# Allegro board 8880F5-0823_9.brd (continued)
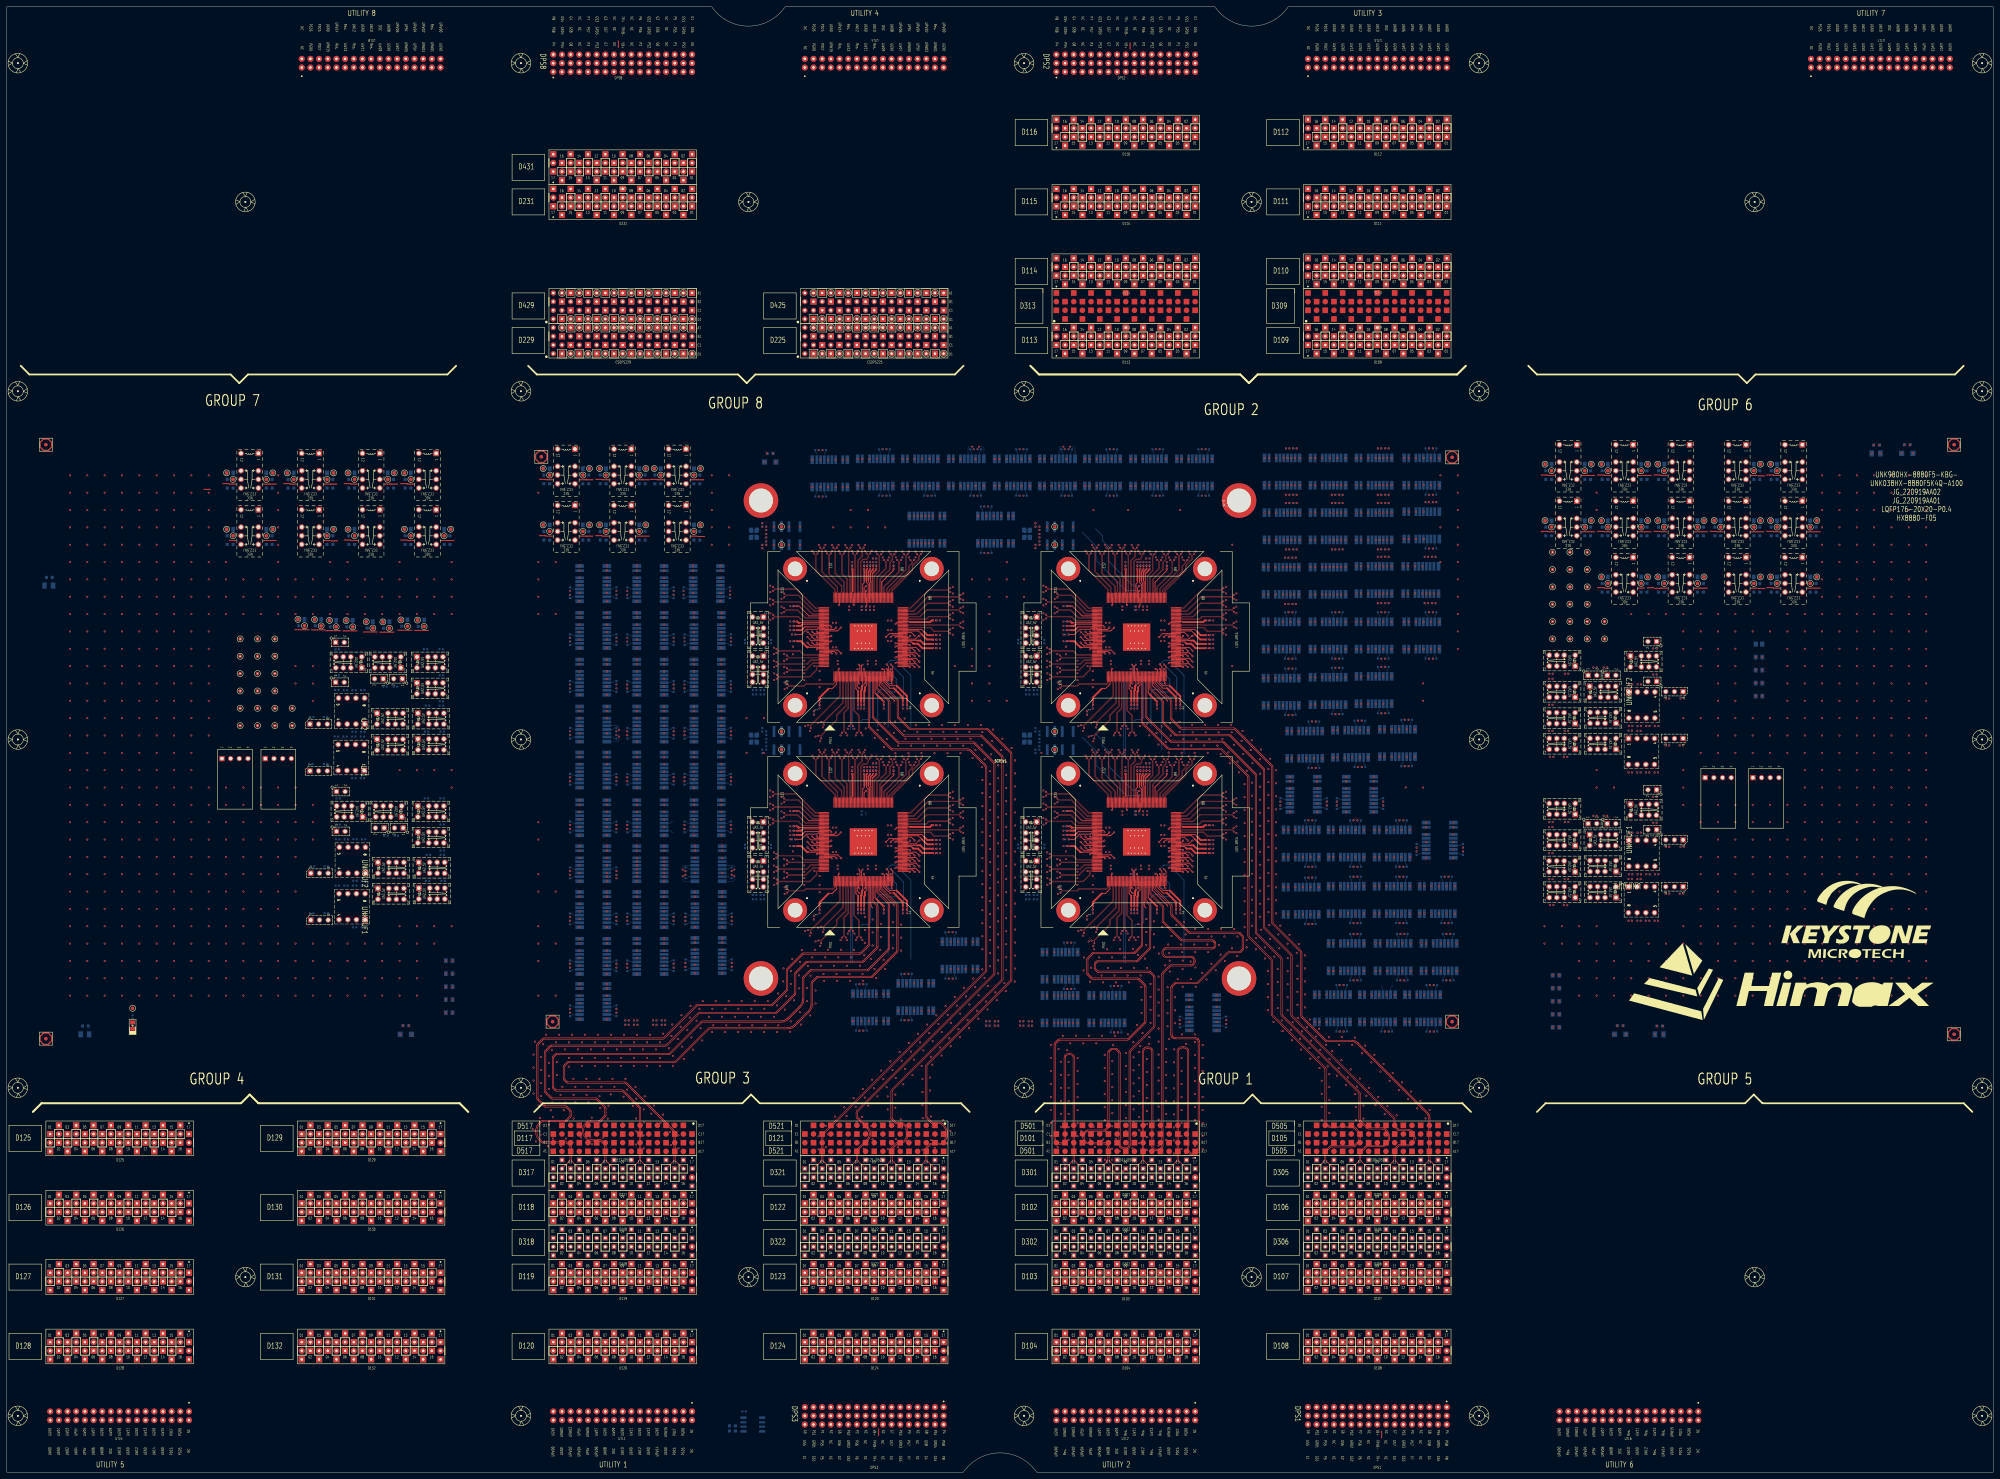
[diagram p0: board, top side]
## Routing (per net, layer and track width the routed paths; a pad name or vN(x,y) marks a point on that pad's centre or on a via; arc(x,y) is an arc through that point) (continued)
D12013: length 259.2
  TOP w0.086: SITE3.135 237.68,192.43 237.6,192.35 236.46,192.35 231.86,196.95 228.04,196.95 v1(227.6,197.38)
  L05_SIGNAL w0.071: v1(178.5,162.67) 178.97,162.2 179.52,162.2 179.91,161.81 179.91,160.47 177.66,158.23 175.66,158.23 174.87,157.44 174.87,125.94 178.15,122.66 178.15,116.93 194.86,100.22 199.25,100.22 205.86,93.62 205.86,33.61 203.06,30.82 193.97,30.82 192.9,31.88 192.9,33.16 D120.13
  L32_SIGNAL w0.071: v1(227.6,197.38) 227.13,196.91 226.48,196.91 225.28,195.71 225.28,185.17 223.22,183.12 223.22,170.34 218.38,165.49 183.28,165.49 179.98,162.2 178.97,162.2 v1(178.5,162.67)
D12014: length 502.2
  TOP w0.086: SITE3.102 254.23,197.78 254.15,197.86 254.15,202.58 255.64,204.07 255.64,208.51 v1(256.07,208.93)
  L05_SIGNAL w0.071: v1(181.67,203.56) 181.2,203.09 180.14,203.09 177.08,200.03 177.08,164.74 172.92,160.58 172.92,129.63 172.13,128.85 172.13,127.1 173.43,125.8 173.43,117.15 175.82,114.76 175.82,113.21 185.38,103.65 187.91,103.65 193.67,97.89 199.92,97.89 204.49,93.32 204.49,51.6 199.83,46.93 197.16,46.93 195.48,45.26 195.48,40.54 D120.14
  L32_SIGNAL w0.071: v1(181.67,203.56) 181.2,203.09 180.18,203.09 176.92,206.34 162.45,206.34 159.1,203 159.1,189.56 162.87,185.79 167.01,185.79 170.41,182.4 170.41,173.57 168.42,171.58 165.61,171.58 159.73,165.71 159.73,149.11 164.77,144.08 198.32,144.08 203.77,149.52 209.77,149.52 213.29,153.04 230.86,153.04 236.63,147.27 251.59,147.27 253.23,148.91 272.21,148.91 277.98,154.68 277.98,187.55 273.71,191.82 260.15,191.82 255.6,196.37 255.6,208.46 v1(256.07,208.93)
D12015: length 258.3
  TOP w0.086: SITE3.136 237.68,192.03 237.6,192.11 236.36,192.11 231.76,196.71 228.07,196.71 v1(227.6,196.24)
  L05_SIGNAL w0.071: D120.15 193.1,33.08 193.1,31.96 194.05,31.01 202.98,31.01 205.66,33.69 205.66,93.53 199.17,100.02 194.78,100.02 177.95,116.85 177.95,122.57 174.67,125.86 174.67,157.52 175.57,158.42 177.58,158.42 179.71,160.56 179.71,161.73 179.44,162 178.97,162 v1(178.5,161.52)
  L32_SIGNAL w0.071: v1(178.5,161.52) 178.97,162 180.06,162 183.36,165.3 218.46,165.3 223.42,170.26 223.42,183.04 225.48,185.09 225.48,195.63 226.56,196.71 227.13,196.71 v1(227.6,196.24)
D12016: length 501
  TOP w0.086: SITE3.103 253.83,197.78 253.91,197.86 253.91,202.68 255.4,204.17 255.4,208.46 v1(254.93,208.93)
  L05_SIGNAL w0.071: D120.16 195.68,40.54 195.68,45.17 197.25,46.74 199.91,46.74 204.69,51.51 204.69,93.4 200,98.09 193.75,98.09 187.99,103.85 185.46,103.85 176.02,113.3 176.02,114.84 173.63,117.23 173.63,125.88 172.33,127.18 172.33,128.76 173.11,129.54 173.11,160.49 177.28,164.65 177.28,199.94 180.22,202.89 181.2,202.89 v1(181.67,202.42)
  L32_SIGNAL w0.071: v1(254.93,208.93) 255.4,208.46 255.4,196.29 260.07,191.63 273.63,191.63 277.78,187.47 277.78,154.77 272.13,149.11 253.15,149.11 251.51,147.47 236.71,147.47 230.94,153.24 213.21,153.24 209.69,149.72 203.68,149.72 198.24,144.27 164.85,144.27 159.93,149.19 159.93,165.62 165.69,171.38 168.5,171.38 170.61,173.49 170.61,182.48 167.09,185.99 162.95,185.99 159.3,189.64 159.3,202.92 162.53,206.15 176.84,206.15 180.09,202.89 181.2,202.89 v1(181.67,202.42)
D12301: length 279.1
  TOP w0.086: v1(261.86,207.21) 261.41,206.77 261.41,203.74 256.95,199.28 256.95,197.86 257.03,197.78 SITE3.95
  L05_SIGNAL w0.071: D123.01 236.16,53.4 236.16,51.28 234.39,49.5 229.4,49.5 227.44,51.47 227.44,93.68 204.68,116.43 204.68,132.21 202.26,134.64 202.26,138.34 204.1,140.18 204.1,215.61 208.21,219.72 212.01,219.72 213.37,218.35 213.37,216.79 213.14,216.55 212.5,216.55 v1(212.03,217.02)
  L32_SIGNAL w0.071: v1(212.03,217.02) 212.5,216.55 219.43,216.55 220.48,215.5 230.96,215.5 232.02,216.55 238.79,216.55 241.81,219.57 254.14,219.57 258.84,214.86 258.84,213.71 261.38,211.17 261.38,207.69 v1(261.86,207.21)
D12302: length 212.1
  TOP w0.086: v1(237.43,209.15) 236.97,208.69 236.97,204.24 242.55,198.66 242.55,197.86 242.63,197.78 SITE3.131
  L05_SIGNAL w0.071: D123.02 238.68,60.88 238.68,61.8 238.29,62.18 232.85,62.18 231.03,64 231.03,94.85 208.31,117.57 208.31,132.07 205.62,134.75 205.62,184.3 210.44,189.12 211.55,189.12 v1(212.03,189.59)
  L32_SIGNAL w0.071: v1(212.03,189.59) 211.55,189.12 211.03,189.12 210.09,190.06 210.09,192.23 214.37,196.51 224.09,196.51 226.56,198.99 235.95,198.99 236.95,199.99 236.95,208.68 v1(237.43,209.15)
D12303: length 280.4
  TOP w0.086: v1(260.71,207.21) 261.17,206.75 261.17,203.84 256.71,199.38 256.71,197.86 256.63,197.78 SITE3.96
  L05_SIGNAL w0.071: D123.03 236.36,53.48 236.36,51.19 234.47,49.3 229.32,49.3 227.24,51.39 227.24,93.59 204.49,116.35 204.49,132.13 202.06,134.55 202.06,138.42 203.91,140.27 203.91,215.69 208.13,219.92 212.09,219.92 213.57,218.43 213.57,216.7 213.22,216.35 212.5,216.35 v1(212.03,215.88)
  L32_SIGNAL w0.071: v1(260.71,207.21) 261.19,207.69 261.19,211.08 258.64,213.63 258.64,214.78 254.05,219.37 241.9,219.37 238.88,216.35 232.1,216.35 231.04,215.3 220.4,215.3 219.35,216.35 212.5,216.35 v1(212.03,215.88)
D12304: length 212
  TOP w0.086: v1(236.28,209.15) 236.73,208.71 236.73,204.14 242.31,198.56 242.31,197.86 242.23,197.78 SITE3.132
  L05_SIGNAL w0.071: v1(212.03,188.45) 211.55,188.92 210.53,188.92 205.82,184.22 205.82,134.83 208.51,132.15 208.51,117.65 231.23,94.93 231.23,64.08 232.93,62.38 238.38,62.38 238.88,61.88 238.88,60.84 D123.04
  L32_SIGNAL w0.071: v1(236.28,209.15) 236.75,208.68 236.75,200.07 235.87,199.18 226.48,199.18 224,196.71 214.29,196.71 209.89,192.31 209.89,189.98 210.95,188.92 211.55,188.92 v1(212.03,188.45)
D12305: length 833.7
  TOP w0.086: SITE3.85 263.98,192.03 264.06,192.11 265.58,192.11 269.82,196.36 278.81,196.36 v1(279.29,195.88)
  L07_SIGNAL w0.071: D123.05 244.87,54.85 246.65,54.85 246.99,54.5 246.99,52.15 244.9,50.07 228.14,50.07 224.31,53.89 224.31,100.65 261.98,138.32 261.98,143.16 263.54,144.73 263.54,145.51 v1(264.01,145.99)
  L30_SIGNAL w0.071: v1(264.01,145.99) 263.55,145.53 263.55,144.67 264.49,143.73 264.49,140.56 266.44,138.61 272.34,138.61 274.54,140.81 274.54,144.52 275.88,145.86 277.83,145.86 278.86,144.83 278.86,141.34 264.69,127.17 206.59,127.17 204.63,125.21 194.44,125.21 192.9,126.75 25.18,126.75 21.58,123.16 21.58,108.74 24.62,105.7 157.16,105.7 159.02,107.56 170.6,107.56 172.57,105.6 184.03,105.6 187.17,108.73 283.29,108.73 288.47,113.91 288.47,195.03 287.15,196.35 279.76,196.35 v1(279.29,195.88)
D12306: length 833.7
  TOP w0.086: SITE3.83 263.98,191.23 264.06,191.31 266.53,191.31 269.61,194.39 275.8,194.39 v1(276.24,193.95)
  L07_SIGNAL w0.071: v1(264.01,132.4) 263.54,132.87 263.54,133.69 263.06,134.17 261.82,134.17 226.2,98.56 226.2,66.3 230.03,62.47 248.1,62.47 248.38,62.19 248.38,60.42 D123.06
  L30_SIGNAL w0.071: v1(276.24,193.95) 276.72,194.42 284.42,194.42 287.11,191.73 287.11,147.61 287.81,146.91 287.81,134.93 285.97,133.09 285.97,114.38 281.74,110.15 262.95,110.15 261.61,111.48 248.03,111.48 246.31,109.77 189.32,109.77 188.06,111.03 184.5,111.03 182.89,109.42 154.26,109.42 152.26,107.42 55.01,107.42 52.56,109.87 42.91,109.87 42.56,109.51 42.56,108.95 43,108.51 48.22,108.51 48.59,108.13 48.59,107.76 48.24,107.42 25.15,107.42 23.93,108.63 23.93,122.76 26.37,125.21 153.15,125.21 153.97,124.38 157.49,124.38 158.17,125.07 193.8,125.07 195.15,123.72 198.59,123.72 199.3,124.43 205.7,124.43 207.62,126.35 266.03,126.35 279.71,140.02 279.71,147.49 277.94,149.26 261.11,149.26 259.65,147.8 259.65,131.08 260.69,130.04 262.93,130.04 263.54,130.64 263.54,131.93 v1(264.01,132.4)
D12307: length 833.7
  TOP w0.086: SITE3.86 263.98,192.43 264.06,192.35 265.48,192.35 269.73,196.6 278.87,196.6 v1(279.29,197.02)
  L07_SIGNAL w0.071: D123.07 247.19,54.15 247.19,52.07 244.99,49.87 228.06,49.87 224.12,53.81 224.12,100.74 261.78,138.4 261.78,143.25 263.34,144.81 263.34,145.51 v1(262.87,145.99)
  L30_SIGNAL w0.071: v1(279.29,197.02) 279.76,196.55 287.23,196.55 288.67,195.11 288.67,113.83 283.38,108.54 187.25,108.54 184.12,105.4 172.48,105.4 170.52,107.36 159.1,107.36 157.24,105.51 24.54,105.51 21.38,108.66 21.38,123.24 25.1,126.95 192.98,126.95 194.53,125.41 204.55,125.41 206.51,127.37 264.61,127.37 278.66,141.42 278.66,144.75 277.75,145.66 275.96,145.66 274.74,144.44 274.74,140.72 272.42,138.41 266.36,138.41 264.29,140.48 264.29,143.65 263.36,144.59 263.36,145.5 v1(262.87,145.99)
D12308: length 833.7
  TOP w0.086: v1(276.24,195.09) 275.78,194.63 269.51,194.63 266.43,191.55 264.06,191.55 263.98,191.63 SITE3.84
  L07_SIGNAL w0.071: D123.08 249.86,60.02 248.81,60.02 248.58,60.25 248.58,62.27 248.18,62.67 230.11,62.67 226.4,66.38 226.4,98.47 261.9,133.97 262.98,133.97 263.34,133.61 263.34,132.87 v1(262.87,132.4)
  L30_SIGNAL w0.071: v1(262.87,132.4) 263.34,131.93 263.34,130.73 262.85,130.23 260.77,130.23 259.84,131.16 259.84,147.71 261.19,149.06 277.86,149.06 279.51,147.41 279.51,140.1 265.95,126.55 207.53,126.55 205.61,124.63 199.22,124.63 198.51,123.92 195.23,123.92 193.88,125.27 158.09,125.27 157.4,124.58 154.06,124.58 153.23,125.4 26.29,125.4 23.73,122.85 23.73,108.55 25.07,107.22 48.33,107.22 48.79,107.68 48.79,108.21 48.3,108.7 43.09,108.7 42.76,109.04 42.76,109.43 42.99,109.67 52.48,109.67 54.93,107.22 152.34,107.22 154.34,109.22 182.97,109.22 184.58,110.83 187.98,110.83 189.24,109.57 246.4,109.57 248.11,111.29 261.53,111.29 262.86,109.95 281.82,109.95 286.17,114.3 286.17,133.01 288.01,134.85 288.01,146.99 287.31,147.69 287.31,191.81 284.5,194.62 276.72,194.62 v1(276.24,195.09)
D12309: length 833.7
  TOP w0.086: v1(276.24,190.09) 275.8,190.53 270.02,190.53 269.2,189.71 264.06,189.71 263.98,189.63 SITE3.79
  L07_SIGNAL w0.071: D123.09 254.05,55.88 255.91,54.02 256.78,54.02 256.98,53.82 256.98,49.8 254.84,47.66 226.52,47.66 222.24,51.94 222.24,99.82 250.33,127.92 250.33,128.88 v1(250.81,129.35)
  L30_SIGNAL w0.071: v1(250.81,129.35) 250.33,129.82 250.33,131.31 247.9,133.73 238.12,133.73 234.48,130.09 206.09,130.09 205.02,129.02 197.72,129.02 196.48,130.26 145.41,130.26 143.59,132.07 143.59,133.02 144.2,133.63 163.56,133.63 164.22,134.29 164.22,134.93 163.63,135.52 143.52,135.52 143.23,135.81 143.23,136.64 143.62,137.03 163.32,137.03 163.9,137.62 163.9,138.28 163.15,139.03 143.73,139.03 143.14,139.62 143.14,140.68 143.38,140.92 206.62,140.92 207.31,141.62 207.31,143.37 206.9,143.79 143.34,143.79 142.95,144.18 142.95,144.54 143.32,144.91 203.53,144.91 204.13,145.51 204.13,146.69 203.38,147.44 200.11,147.44 199.36,146.69 143.25,146.69 143,146.94 143,147.52 143.17,147.69 162.64,147.69 163.04,148.09 163.04,148.69 162.5,149.22 143.84,149.22 143.38,149.69 143.38,150.3 144.49,151.41 165.75,151.41 167.35,149.81 204.74,149.81 217.29,137.26 227.88,137.26 229.65,139.03 252.54,139.03 258.74,145.22 258.74,164.96 263.84,170.06 263.84,189.54 264.86,190.56 275.77,190.56 v1(276.24,190.09)
D12311: length 833.7
  TOP w0.086: v1(276.24,191.23) 275.78,190.77 269.92,190.77 269.1,189.95 264.06,189.95 263.98,190.03 SITE3.80
  L07_SIGNAL w0.071: v1(249.66,129.35) 250.14,128.88 250.14,128 222.04,99.9 222.04,51.86 226.44,47.46 254.92,47.46 257.18,49.72 257.18,53.98 D123.11
  L30_SIGNAL w0.071: v1(276.24,191.23) 275.77,190.76 264.77,190.76 263.64,189.62 263.64,170.14 258.54,165.04 258.54,145.31 252.46,139.23 229.57,139.23 227.8,137.46 217.37,137.46 204.82,150.01 167.43,150.01 165.84,151.6 144.41,151.6 143.18,150.38 143.18,149.6 143.76,149.03 162.42,149.03 162.84,148.61 162.84,148.17 162.56,147.89 143.09,147.89 142.8,147.6 142.8,146.86 143.17,146.49 199.44,146.49 200.2,147.24 203.29,147.24 203.93,146.61 203.93,145.6 203.44,145.11 143.24,145.11 142.75,144.62 142.75,144.1 143.26,143.59 206.82,143.59 207.12,143.29 207.12,141.7 206.53,141.12 143.3,141.12 142.94,140.76 142.94,139.53 143.64,138.83 163.06,138.83 163.71,138.19 163.71,137.7 163.24,137.23 143.54,137.23 143.03,136.72 143.03,135.73 143.44,135.32 163.55,135.32 164.02,134.85 164.02,134.37 163.48,133.83 144.12,133.83 143.39,133.11 143.39,131.99 145.33,130.06 196.4,130.06 197.63,128.82 205.1,128.82 206.17,129.89 234.56,129.89 238.2,133.54 247.82,133.54 250.13,131.22 250.13,129.82 v1(249.66,129.35)
D12313: length 359.3
  L07_SIGNAL w0.071: D123.13 265.68,54.36 265.68,49.7 267.67,47.71 275.81,47.71 280.73,52.62 280.73,101.92 274.73,107.93 274.73,134.49 276.5,136.26 276.5,144.12 v1(276.97,144.59)
  L30_SIGNAL w0.071: v1(276.97,144.59) 276.5,144.12 276.5,140.56 273.33,137.39 268.79,137.39 266.84,135.43 266.84,131.56 263.39,128.1 196.12,128.1 194.89,129.33 144.57,129.33 141.77,132.13 141.77,150.27 144.22,152.71 166.29,152.71 167.13,151.87 182.39,151.87 188.37,157.86 188.37,176.38 188.09,176.66 v1(184.47,176.66)
D12314: length 833.7
  TOP w0.086: v1(279.29,187.66) 278.84,188.11 264.06,188.11 263.98,188.03 SITE3.75
  L07_SIGNAL w0.071: v1(276.97,158.18) 276.5,158.65 276.5,159.5 275.77,160.23 272.89,160.23 271.58,158.92 271.58,145.92 273.6,143.9 273.6,130.54 272.28,129.23 272.28,107.97 277.48,102.78 277.48,66.55 275.48,64.55 271.63,64.55 269.01,61.93 269.01,60.73 D123.14
  L30_SIGNAL w0.071: v1(279.29,187.66) 278.82,188.13 278.21,188.13 277.84,187.75 277.84,163.33 285.14,156.02 285.14,143.72 286.39,142.48 286.39,139.55 283.02,136.18 283.02,126.69 274.4,118.07 265.08,118.07 263.33,116.32 254.99,116.32 254.22,117.09 159.85,117.09 156.83,120.1 152,120.1 143.03,111.13 29.77,111.13 27.6,113.3 27.6,115.26 29.07,116.74 61.19,116.74 62.22,117.77 62.22,118.68 61.22,119.68 27.46,119.68 26.41,120.73 26.41,121.92 28.02,123.53 157.22,123.53 157.94,122.81 205.86,122.81 207.37,124.32 266.83,124.32 281.5,138.99 281.5,147.96 279.32,150.13 279.32,158.63 277.98,159.98 276.98,159.98 276.51,159.51 276.51,158.64 v1(276.97,158.18)
D12315: length 359.3
  L07_SIGNAL w0.071: v1(275.82,144.59) 276.3,144.12 276.3,136.34 274.53,134.57 274.53,107.84 280.53,101.84 280.53,52.7 275.73,47.9 267.75,47.9 265.87,49.78 265.87,53.45 266.96,54.53 267.89,54.53 D123.15
  L30_SIGNAL w0.071: v1(192.47,176.66) 188.84,176.66 188.57,176.38 188.57,157.78 182.47,151.68 167.05,151.68 166.21,152.52 144.3,152.52 141.97,150.19 141.97,132.21 144.66,129.53 194.98,129.53 196.2,128.3 263.31,128.3 266.64,131.64 266.64,135.52 268.71,137.58 273.24,137.58 276.3,140.64 276.3,144.12 v1(275.82,144.59)
D12316: length 833.7
  TOP w0.086: v1(279.29,188.8) 278.84,188.35 264.06,188.35 263.98,188.43 SITE3.76
  L07_SIGNAL w0.071: v1(275.82,158.18) 276.3,158.65 276.3,159.42 275.69,160.03 272.97,160.03 271.78,158.83 271.78,146 273.79,143.98 273.79,130.46 272.48,129.14 272.48,108.06 277.67,102.86 277.67,66.47 275.56,64.36 271.71,64.36 269.2,61.85 269.2,60.65 270.49,59.36 270.84,59.36 D123.16
  L30_SIGNAL w0.071: v1(275.82,158.18) 276.31,158.66 276.31,159.59 276.89,160.17 278.06,160.17 279.52,158.71 279.52,150.21 281.7,148.04 281.7,138.91 266.92,124.12 207.45,124.12 205.94,122.62 157.86,122.62 157.14,123.33 28.1,123.33 26.61,121.84 26.61,120.81 27.54,119.88 61.31,119.88 62.42,118.76 62.42,117.69 61.27,116.54 29.16,116.54 27.8,115.18 27.8,113.38 29.85,111.33 142.95,111.33 151.92,120.3 156.92,120.3 159.93,117.28 254.3,117.28 255.07,116.51 263.25,116.51 265,118.26 274.32,118.26 282.82,126.77 282.82,136.27 286.19,139.63 286.19,142.39 284.94,143.64 284.94,155.94 277.64,163.24 277.64,187.83 278.13,188.33 278.82,188.33 v1(279.29,188.8)
D12401: length 562
  TOP w0.086: SITE3.100 255.03,197.78 254.95,197.86 254.95,202.07 257.55,204.67 257.55,206.76 v1(258,207.21)
  L05_SIGNAL w0.071: D124.01 236.05,33.19 236.05,29.34 233.19,26.48 217.07,26.48 212.61,30.94 212.61,96.57 192.31,116.86 192.31,123.1 190.24,125.17 190.24,126.7 190.98,127.43 190.98,133.42 189.43,134.97 189.43,201.6 192.17,204.34 196.43,204.34 196.69,204.08 196.69,203.37 196.41,203.09 195.73,203.09 v1(195.26,203.56)
  L32_SIGNAL w0.071: v1(195.26,203.56) 194.79,203.09 193.58,203.09 188.15,208.52 162.97,208.52 157.98,203.53 157.98,188.44 166.02,180.4 166.02,173.36 157.35,164.69 157.35,147.81 162.92,142.23 204.38,142.23 214.25,152.1 226.67,152.1 240.07,138.7 272.62,138.7 279.89,145.97 279.89,185.48 280.82,186.41 280.82,193.94 279.71,195.05 278.69,195.05 277.53,196.21 260.34,196.21 257.53,199.02 257.53,206.74 v1(258,207.21)
D12402: length 230
  TOP w0.086: v1(224.31,199.31) 224.75,198.87 231.22,198.87 236.94,193.15 237.6,193.15 237.68,193.23 SITE3.133
  L05_SIGNAL w0.071: v1(198.44,189.59) 197.97,189.12 197.12,189.12 194.34,186.33 194.34,132.9 193.34,131.9 193.34,126.27 196.09,123.52 196.09,115.91 221.25,90.76 221.25,49.6 227.72,43.13 237.24,43.13 238.61,41.75 238.61,40.49 D124.02
  L32_SIGNAL w0.071: v1(224.31,199.31) 223.83,198.84 205.48,198.84 202.81,196.17 202.81,191.64 200.29,189.12 198.91,189.12 v1(198.44,189.59)
D12403: length 562.7
  TOP w0.086: SITE3.101 254.63,197.78 254.71,197.86 254.71,202.17 257.31,204.77 257.31,206.76 v1(256.85,207.21)
  L05_SIGNAL w0.071: D124.03 236.25,33.05 236.25,29.26 233.27,26.28 216.99,26.28 212.41,30.86 212.41,96.49 192.12,116.78 192.12,123.02 190.04,125.09 190.04,126.78 190.78,127.52 190.78,133.34 189.24,134.88 189.24,201.69 192.09,204.54 196.51,204.54 196.88,204.17 196.88,203.29 196.49,202.89 195.73,202.89 v1(195.26,202.42)
  L32_SIGNAL w0.071: v1(256.85,207.21) 257.33,206.74 257.33,198.94 260.26,196.01 277.44,196.01 278.6,194.85 279.63,194.85 280.62,193.86 280.62,186.49 279.69,185.56 279.69,146.05 272.53,138.89 240.16,138.89 226.75,152.3 214.16,152.3 204.3,142.43 163,142.43 157.54,147.89 157.54,164.61 166.22,173.28 166.22,180.48 158.18,188.52 158.18,203.44 163.06,208.32 188.07,208.32 193.5,202.89 194.79,202.89 v1(195.26,202.42)
D12404: length 229.7
  TOP w0.086: v1(224.31,198.17) 224.77,198.63 231.12,198.63 236.84,192.91 237.6,192.91 237.68,192.83 SITE3.134
  L05_SIGNAL w0.071: v1(198.44,188.45) 197.97,188.92 197.2,188.92 194.53,186.25 194.53,132.82 193.53,131.82 193.53,126.36 196.29,123.6 196.29,116 221.45,90.84 221.45,49.68 227.8,43.33 237.32,43.33 238.81,41.84 238.81,40.59 D124.04
  L32_SIGNAL w0.071: v1(224.31,198.17) 223.83,198.64 205.56,198.64 203.01,196.08 203.01,191.55 200.38,188.92 198.91,188.92 v1(198.44,188.45)
D12405: length 360.6
  TOP w0.086: v1(265.72,207.21) 265.28,206.78 265.28,206.31 264.35,205.37 264.35,204.04 258.55,198.23 258.55,197.86 258.63,197.78 SITE3.91
  L05_SIGNAL w0.071: D124.05 246.35,33.05 246.35,26.88 244.31,24.84 215.45,24.84 210.75,29.54 210.75,95.7 189.15,117.29 189.15,125.93 187.15,127.93 187.15,129.97 188.03,130.85 188.03,216.45 190.8,219.23 195.79,219.23 196.32,218.7 196.32,216.78 196.08,216.55 195.73,216.55 v1(195.26,217.02)
  L32_SIGNAL w0.071: v1(195.26,217.02) 195.73,216.55 196.59,216.55 196.87,216.83 196.87,219.04 199.94,222.12 217.87,222.12 221.57,218.41 231.09,218.41 233.94,221.25 260.44,221.25 265.89,215.81 265.89,212.05 265.24,211.41 265.24,207.69 v1(265.72,207.21)
D12406: length 295.9
  TOP w0.086: v1(259.93,208.93) 259.46,208.47 259.46,207.3 258.7,206.53 258.7,204.43 255.75,201.48 255.75,197.86 255.83,197.78 SITE3.98
  L05_SIGNAL w0.071: v1(198.44,217.02) 197.97,216.55 197.58,216.55 197.03,216 197.03,207.43 199.83,204.64 199.83,137.92 198.35,136.45 198.35,122.89 200.18,121.07 200.18,115.41 223.21,92.38 223.21,52.14 229.67,45.67 245.98,45.67 248.78,42.88 248.78,40.5 D124.06
  L32_SIGNAL w0.071: v1(198.44,217.02) 198.91,216.55 199.83,216.55 203.46,212.92 209.57,212.92 210.21,213.56 238.43,213.56 239.71,214.83 251.01,214.83 252.06,215.88 254.93,215.88 259.45,211.36 259.45,209.4 v1(259.93,208.93)
D12407: length 361.9
  TOP w0.086: v1(264.57,207.21) 265.04,206.74 265.04,206.4 264.11,205.47 264.11,204.13 258.31,198.33 258.31,197.86 258.23,197.78 SITE3.92
  L05_SIGNAL w0.071: v1(195.26,215.88) 195.73,216.35 196.17,216.35 196.51,216.7 196.51,218.79 195.87,219.43 190.72,219.43 187.83,216.54 187.83,130.93 186.95,130.05 186.95,127.85 188.95,125.85 188.95,117.21 210.55,95.62 210.55,29.46 215.37,24.64 244.39,24.64 246.55,26.8 246.55,33.19 D124.07
  L32_SIGNAL w0.071: v1(264.57,207.21) 265.04,207.69 265.04,211.49 265.69,212.14 265.69,215.73 260.36,221.06 234.02,221.06 231.17,218.21 221.49,218.21 217.78,221.92 200.02,221.92 197.07,218.96 197.07,216.75 196.67,216.35 195.73,216.35 v1(195.26,215.88)
D12408: length 295.3
  TOP w0.086: v1(258.78,208.93) 259.23,208.49 259.23,207.4 258.46,206.63 258.46,204.53 255.51,201.58 255.51,197.86 255.43,197.78 SITE3.99
  L05_SIGNAL w0.071: D124.08 248.98,40.58 248.98,42.96 246.07,45.87 229.75,45.87 223.41,52.22 223.41,92.46 200.37,115.49 200.37,121.15 198.55,122.97 198.55,136.36 200.02,137.84 200.02,204.72 197.23,207.51 197.23,215.92 197.66,216.35 197.97,216.35 v1(198.44,215.88)
  L32_SIGNAL w0.071: v1(198.44,215.88) 198.91,216.35 199.74,216.35 203.38,212.72 209.65,212.72 210.29,213.36 238.51,213.36 239.79,214.63 251.09,214.63 252.15,215.68 254.85,215.68 259.26,211.28 259.26,209.4 v1(258.78,208.93)
D12501: length 413.5
  TOP w0.086: v1(228.38,238.12) 228.77,238.5 237.61,238.5 237.68,238.43 SITE1.170
  L03_SIGNAL w0.071: v2(198.18,257.03) 197.71,257.5 197.17,257.5 196.58,258.09 196.58,259.22 195.23,260.57 75.2,260.57 9.03,194.4 9.03,93.76 11.61,91.19 14.28,91.19 15.7,92.61 15.7,94.54 15.13,95.11 14.11,95.11 D125.01
  L28_SIGNAL w0.071: v2(198.18,257.03) 198.66,257.5 199.7,257.5 200.96,258.76 204.73,258.76 205.44,259.48 205.44,260.5 204.82,261.12 199.21,261.12 198.54,261.8 198.54,262.69 199.2,263.35 221.28,263.35 225.57,259.05 225.57,245.67 226.86,244.38 226.86,239.39 227.66,238.59 227.91,238.59 v1(228.38,238.12)
D12502: length 457
  TOP w0.086: v1(235.41,217.99) 235.41,218.63 244.15,227.37 244.15,231.4 244.23,231.48 SITE1.6
  L03_SIGNAL w0.071: v2(212.03,243.31) 212.5,243.78 213.52,243.78 214.2,244.47 214.2,248.17 207.95,254.43 74.02,254.43 16.42,196.83 16.42,100.24 D125.02
  L28_SIGNAL w0.071: v2(212.03,243.31) 211.55,243.78 210.59,243.78 209.62,244.76 205.56,244.76 195.99,254.34 195.99,262.81 198.02,264.84 221.65,264.84 235.23,251.26 235.23,233.27 236.88,231.62 236.88,226.21 235.72,225.05 235.72,218.97 235.41,218.66 v1(235.41,217.99)
D12503: length 413.5
  TOP w0.086: v1(228.38,239.26) 228.9,238.74 237.59,238.74 237.68,238.83 SITE1.169
  L03_SIGNAL w0.071: D125.03 15.9,94.64 15.9,92.53 14.36,90.99 11.53,90.99 8.84,93.68 8.84,194.48 75.12,260.77 195.31,260.77 196.78,259.3 196.78,258.17 197.25,257.7 197.71,257.7 v2(198.18,258.17)
  L28_SIGNAL w0.071: v2(198.18,258.17) 198.66,257.7 199.62,257.7 200.88,258.96 204.64,258.96 205.24,259.56 205.24,260.42 204.73,260.93 199.13,260.93 198.34,261.72 198.34,262.77 199.11,263.54 221.36,263.54 225.77,259.13 225.77,245.75 227.06,244.47 227.06,239.47 227.74,238.79 227.91,238.79 v1(228.38,239.26)
D12504: length 457
  TOP w0.086: SITE1.5 243.83,231.48 243.91,231.4 243.91,227.47 235.24,218.8 v1(234.6,218.8)
  L03_SIGNAL w0.071: D125.04 19.24,100.14 17.07,100.14 16.62,100.6 16.62,196.75 74.1,254.23 207.87,254.23 214.01,248.09 214.01,244.55 213.44,243.98 212.5,243.98 v2(212.03,244.46)
  L28_SIGNAL w0.071: v2(212.03,244.46) 211.55,243.98 210.68,243.98 209.7,244.96 205.65,244.96 196.18,254.42 196.18,262.72 198.11,264.65 221.57,264.65 235.04,251.18 235.04,233.18 236.68,231.54 236.68,226.29 235.52,225.13 235.52,219.05 235.27,218.8 v1(234.6,218.8)
D12505: length 413.5
  TOP w0.086: SITE1.168 237.68,239.23 237.6,239.31 233.34,239.31 232.15,240.5 225.84,240.5 v1(225.36,240.02)
  L03_SIGNAL w0.071: v1(211.77,257.03) 211.3,257.5 209.9,257.5 204.65,262.74 72.44,262.74 7,197.29 7,91.77 11.23,87.53 23.45,87.53 25.87,89.95 25.87,94.36 24.84,95.38 24,95.38 D125.05
  L28_SIGNAL w0.071: v1(225.36,240.02) 224.89,240.49 224.23,240.49 222.61,242.11 222.61,255.82 220.93,257.5 212.24,257.5 v1(211.77,257.03)
D12506: length 457
  TOP w0.086: SITE1.8 245.03,231.48 244.95,231.4 244.95,225.37 239.21,219.63 v1(239.21,218.99)
  L03_SIGNAL w0.071: v2(198.44,243.31) 198.91,243.78 199.35,243.78 199.85,244.28 199.85,249.22 196.1,252.96 78.39,252.96 24.6,199.17 24.6,114.16 26.69,112.08 26.69,100.35 D125.06
  L28_SIGNAL w0.071: v1(239.21,218.99) 239.21,219.66 239.41,219.86 239.41,263.47 232.91,269.97 187.36,269.97 185.18,267.79 185.18,256.36 193.58,247.97 193.58,246.89 196.68,243.78 197.97,243.78 v2(198.44,243.31)
D12507: length 413.5
  TOP w0.086: SITE1.167 237.68,239.63 237.6,239.55 233.44,239.55 232.25,240.74 225.78,240.74 v1(225.36,241.16)
  L03_SIGNAL w0.071: v2(211.77,258.17) 211.3,257.7 209.98,257.7 204.74,262.94 72.36,262.94 6.8,197.38 6.8,91.68 11.15,87.33 23.53,87.33 26.07,89.87 26.07,94.65 D125.07
  L28_SIGNAL w0.071: v2(211.77,258.17) 212.24,257.7 221.01,257.7 222.81,255.9 222.81,242.19 224.31,240.69 224.89,240.69 v1(225.36,241.16)
D12508: length 457
  TOP w0.086: v1(238.4,219.8) 239.04,219.8 244.71,225.47 244.71,231.4 244.63,231.48 SITE1.7
  L03_SIGNAL w0.071: D125.08 29.41,100.13 27.05,100.13 26.88,100.3 26.88,112.16 24.8,114.24 24.8,199.09 78.48,252.77 196.02,252.77 199.65,249.14 199.65,244.37 199.26,243.98 198.91,243.98 v2(198.44,244.46)
  L28_SIGNAL w0.071: v2(198.44,244.46) 197.97,243.98 196.76,243.98 193.78,246.97 193.78,248.05 185.38,256.45 185.38,267.71 187.44,269.77 232.82,269.77 239.21,263.38 239.21,219.94 239.07,219.8 v1(238.4,219.8)
D12509: length 413.5
  TOP w0.086: v1(228.51,229.79) 228.97,230.25 233.52,230.25 234.03,230.76 242.13,230.76 242.55,231.18 242.55,231.4 242.63,231.48 SITE1.2
  L03_SIGNAL w0.071: v2(195.26,243.31) 194.79,243.78 193.68,243.78 192.61,244.86 190.06,244.86 188.99,243.78 185.49,243.78 178.99,237.28 83.88,237.28 45.32,198.73 45.32,129.02 59.27,115.07 59.27,95.31 52.98,89.02 37.07,89.02 35.22,90.88 35.22,94.32 D125.09